# Altium PCB LimeSDR_1v2.PcbDoc (part 5 of 9)
Units mm, origin at the board's own origin, x right, y up, seen from the top; angles counter-clockwise.
Board outline 100 x 60 mm, 12 copper layers (Top, L2, L3, L4, L5, L6, L7, L8, L9, L10, L11, Bottom), stack 1.58 mm thick; 795 components, 584 nets, 3859 pads, 2074 vias.
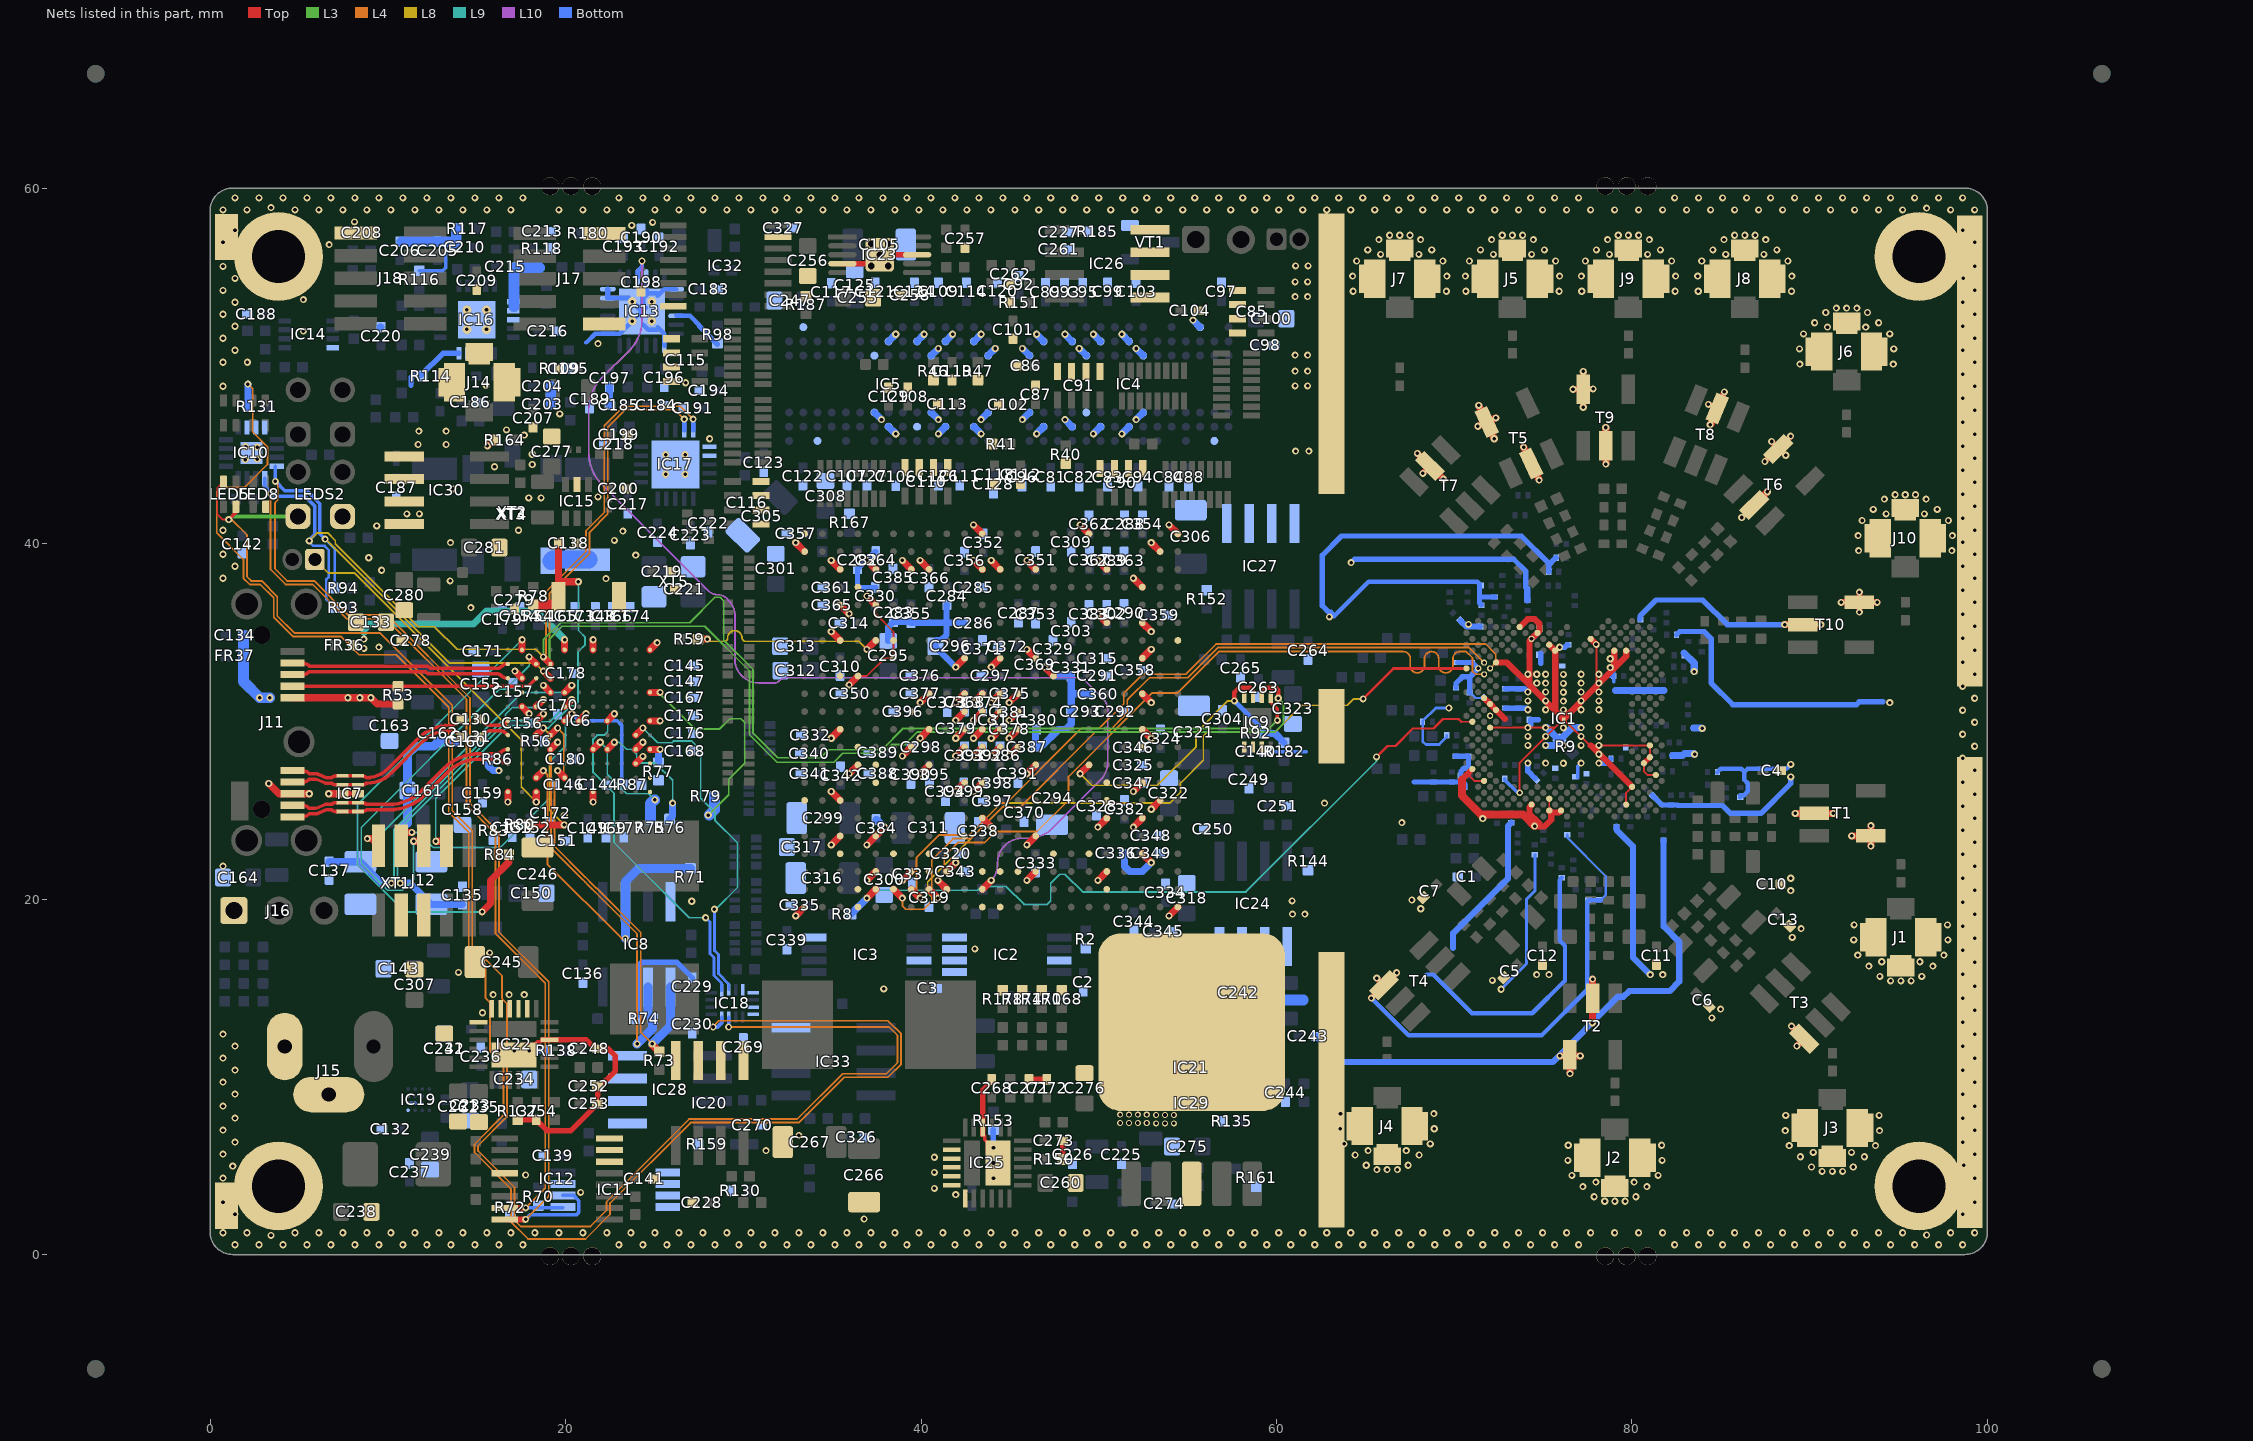
[diagram p15: the nets of this part, all layers, seen from the top]

## Via types
v1: diameter 0.4, hole 0.2, Top to Bottom, tented both sides, 1226 vias
v2: diameter 0.4, hole 0.2, Top to Bottom, tented top, 420 vias
v3: diameter 0.4, hole 0.2, Top to Bottom, 281 vias
v4: diameter 0.35, hole 0.2, Top to Bottom, tented top, 86 vias
v5: diameter 0.35, hole 0.2, Top to Bottom, tented both sides, 41 vias
v6: diameter 0.5, hole 0.2, Top to Bottom, tented both sides, 20 vias

## Nets (pads, with @x,y where several pads share a name; then routed paths per layer and width w, separated by ;. In a path a pad name is that pad's centre, name@x,y a point inside that pad or via, vN(x,y) a via of type N, cw(c..) or ccw(c..) an arc to the next point about the centre after c; other vN are vias at no path point) (continued)
FX3_FSLC2: IC6.E6 R87.2 | length 7
  Top w0.4: IC6.E6@19.95,30.025 v2(20.35,30.425)
  Bottom w0.2: v2(20.35,30.425) 20.75,30.025 22.916,30.025 23.15,29.791 23.15,26.525 R87.2@23.25,26.425
FX3_GND: C134.2 FR37.1 IC7.3 IC7.8 NT1.1 | length 5.6
  Top w0.4: v1(6.675,25.925) IC7.3@7.787,25.925
  Bottom w0.6: C134.2@1.875,34.85 FR37.1@1.875,33.675 1.875,32.237 v1(2.787,31.325) v1(3.362,31.325)
FX3_I2C_SCL: IC6.D9 IC9.2 IC10.12 IC11.6 IC12.8 IC17.4 R72.1 R94.2 | length 156.3
  Top w0.25: IC9.2@59.175,31.35 59.175,31.725 59.338,31.888 59.962,31.888 60.1,31.75 v1(60.1,31.3)
  Top w0.35: IC12.8@16.7,1.975 v1(17.75,1.975)
  Top w0.4: v2(18.75,32.825) IC6.D9@19.15,32.425
  L3 w0.1: v2(18.75,32.825) 19.1,33.175 19.1,34.65 19.8,35.35 27.83,35.35 30.35,32.83 30.35,29.247 31.897,27.7 35.1,27.7 35.6,28.2 37.888,28.2 38.388,28.7 39.095,28.7 39.795,29.4 59.9,29.4 60.4,29.9 60.4,31 v1(60.1,31.3)
  L4 w0.1: v1(3.675,43.5) 3.8,43.375 3.8,42.45 3.65,42.3 3.65,38.579 4.329,37.9 5.85,37.9 7.775,35.975 9.964,35.975 14.625,31.314 14.625,25.384 16.25,23.759 16.25,18.149 19.05,15.349 19.05,3.275 v1(17.75,1.975) ; v2(18.75,32.825) 19.1,33.175 19.1,37.211 21.35,39.461 21.35,40.642 22.375,41.667 22.375,46.545 23.355,47.525 26.15,47.525 v1(26.675,47)
  L8 w0.1: v1(6.475,40.25) 6.6,40.125 6.628,40.125 13.478,33.275 18.3,33.275 v2(18.75,32.825)
  Bottom w0.14: v1(6.475,40.25) 7,39.725 R94.2@7,37.5
  Bottom w0.2: IC10.12@3.675,44.35 v1(3.675,43.5) 4.2,42.975 4.8,42.975 5.447,42.975 6.175,42.247 6.175,40.55 v1(6.475,40.25) ; R72.1@16.9,2.125 17.05,1.975 v1(17.75,1.975) 18.025,2.25 20.633,2.25 20.75,2.367 20.75,3.034 20.459,3.325 IC11.6@19.85,3.325
  Bottom w0.25: IC17.4@26.675,46.375 v1(26.675,47)
FX3_I2C_SDA: IC6.D10 IC9.1 IC10.13 IC11.5 IC12.7 IC17.5 R70.1 R93.2 | length 153.5
  Top w0.2: IC9.1@59.675,31.35 59.675,31.083 60.05,30.708 v1(60.05,30.05)
  Top w0.35: IC12.7@16.7,2.625 v1(17.75,2.625)
  Top w0.4: v2(18.75,33.625) IC6.D10@19.15,33.225
  L3 w0.1: v2(18.75,33.625) 18.75,34.583 19.717,35.55 26.98,35.55 28.405,36.975 28.695,36.975 28.9,36.77 28.9,34.563 30.55,32.913 30.55,29.33 31.93,27.95 34.355,27.95 34.805,28.4 37.805,28.4 39.005,29.6 59.6,29.6 v1(60.05,30.05)
  L4 w0.1: v1(3.4,42.825) 3.4,38.546 4.246,37.7 5.767,37.7 7.692,35.775 9.881,35.775 14.425,31.231 14.425,25.301 16.05,23.676 16.05,18.066 18.85,15.266 18.85,3.725 v1(17.75,2.625) ; v2(18.75,33.625) 18.9,33.775 18.9,37.294 21.15,39.544 21.15,40.725 22.175,41.75 22.175,46.628 23.272,47.725 26.45,47.725 v1(27.175,47)
  L8 w0.1: v1(5.575,40.15) 6.025,40.6 6.62,40.6 7.045,40.175 7.045,39.991 11.711,35.325 12.62,35.325 13.895,34.05 18.325,34.05 v2(18.75,33.625)
  Bottom w0.14: v1@5.525,40.15 5.805,39.87 6.44,39.87 6.675,39.635 6.675,38.115 6.53,37.97 6.53,36.87 R93.2@7,36.4
  Bottom w0.2: IC10.13@3.075,43.675 3.075,43.225 3.625,42.675 5.323,42.675 5.875,42.123 5.875,40.5 v1@5.525,40.15 ; v1(17.75,2.625) IC11.5@19.85,2.625
  Bottom w0.25: IC17.5@27.175,46.375 v1(27.175,47)
FX3_INT: IC6.L8 R79.2 | length 13.8
  Top w0.4: IC6.L8@24.75,31.625 v2(25.316,31.625)
  L3 w0.1: v2(25.316,31.625) 25.316,31.519 27.26,29.575 28.675,29.575 29.25,30.15 29.87,30.15 30.075,29.945 30.075,27.63 29.175,26.73 29.175,25.875 v1(28.025,24.725)
  Bottom w0.6: v1@28.075,24.725 28.375,25.025 R79.2@28.375,25.775
FX3_JTAG_TCK: IC6.F6 J12.4 | length 16
  Top w0.4: J12.4@11.025,23.75 v1(11.35,23.75) ; IC6.F6@20.75,30.025 v2(21.15,30.425)
  L9 w0.1: v1(11.35,23.75) 11.7,23.75 12.475,22.975 12.48,22.975 12.555,22.9 16.325,22.9 19.15,25.725 19.15,27.775 20,28.625 20,29.77 20.205,29.975 20.7,29.975 v2(21.15,30.425)
FX3_JTAG_TDI: IC6.E7 J12.8 | length 13.6
  Top w0.4: v1(12.7,23.25) 13.05,23.25 J12.8@13.3,23 ; IC6.E7@19.95,30.825 v2(20.35,31.225)
  L9 w0.1: v1(12.7,23.25) 12.7,25.675 16.795,29.77 18.4,29.77 18.605,29.975 19.1,29.975 v2(20.35,31.225)
FX3_JTAG_TDO: IC6.C10 J12.6 | length 22.9
  Top w0.4: v1(11.45,23.25) 11.775,23.25 J12.6@12.025,23 ; v2(17.95,33.625) IC6.C10@18.35,33.225
  L9 w0.1: v1(11.45,23.25) 11.45,21.125 10.825,20.5 10,20.5 8.5,22 8.5,24.025 16.3,31.825 16.65,31.825 17.95,33.125 v2(17.95,33.625)
FX3_JTAG_TMS: IC6.E8 J12.2 | length 16.4
  Top w0.4: v1(8.85,23.4) 9.075,23.4 J12.2@9.475,23 ; IC6.E8@19.95,31.625 v2(20.35,32.025)
  L9 w0.1: v1(8.85,23.4) 9.347,23.4 17.572,31.625 19.95,31.625 v2(20.35,32.025)
FX3_JTAG_TRST: IC6.B11 R84.1 | length 29
  Top w0.4: v1(15.3,19.275) 15.775,19.75 15.775,21.05 16.8,22.075 R84.1@16.8,22.5 ; IC6.B11@17.55,34.025 v2(17.55,34.591)
  L9 w0.1: v1(15.3,19.275) 10.942,19.275 8.3,21.917 8.3,25.341 v2(17.55,34.591)
FX3_LED_G: IC18.12 R131.1 | length 102.6
  L4 w0.1: v1(2.125,48.975) 2.4,48.7 2.4,46.276 3.225,45.451 3.225,44.45 1.925,43.15 0.63,43.15 0.375,42.895 0.375,40.605 1.875,39.105 1.875,38.049 2.224,37.7 2.817,37.7 3.575,36.942 3.575,35.852 4.652,34.775 7.35,34.775 8.375,33.75 10.475,33.75 13.425,30.8 13.425,24.887 14.55,23.762 14.55,17.267 15.5,16.317 15.5,14.425 15.75,14.175 15.75,11.409 16.5,10.659 16.5,7.828 14.875,6.203 14.875,5.747 16.925,3.697 16.925,1.842 17.892,0.875 21.12,0.875 22.5,2.255 22.5,2.892 27.033,7.425 33.124,7.425 35.674,9.975 38.141,9.975 38.875,10.709 38.875,12.411 38.136,13.15 28.625,13.15 v1@28.275,12.8
  Bottom w0.2: v1@28.275,12.8 28.55,12.8 28.775,13.025 IC18.12@28.775,13.35
  Bottom w0.4: R131.1@2.125,47.7 v1(2.125,48.975)
  other v1: 28.3,12.8
FX3_LED_G_LS: IC6.H6 IC18.1 | length 20.4
  Top w0.4: IC6.H6@22.35,30.025 v2(22.75,30.425)
  L9 w0.1: v2(22.75,30.425) 22.375,30.05 22.375,29.425 22.175,29.225 21.775,29.225 21.55,29 21.55,27.125 22.725,25.95 22.725,23.175 26.95,18.95 v1(27.875,18.95)
  Bottom w0.15: v1(27.875,18.95) 28.125,18.7 28.125,16.928 28.35,16.703 28.35,15.7 28.775,15.275 IC18.1@28.775,14.85
FX3_LED_R: IC18.11 LED5.2 LED5.3 LEDS2.K1 | length 96.6
  Top w0.1: LED5.2@0.75,43.475 0.4,43.125 0.4,41.65 0.7,41.35 v1(1.05,41.35)
  Top w0.15: LEDS2.K1@4.475,42 LEDS2.K1@4.95,41.525
  Top w0.2: v1(1.05,41.35) 1.45,41.75 LED5.3@1.45,42.075
  L3 w0.2: v1(1.05,41.35) 1.225,41.525 LEDS2.K1@4.95,41.525
  L4 w0.1: v1(1.05,41.35) 1.22,41.35 2.075,40.495 2.075,38.132 2.307,37.9 2.9,37.9 3.782,37.018 3.782,35.927 4.734,34.975 9.55,34.975 13.625,30.9 13.625,24.97 14.75,23.845 14.75,17.35 16.425,15.675 16.425,14.4 16.7,14.125 16.7,7.745 15.075,6.12 15.075,5.83 17.125,3.78 17.125,1.925 17.475,1.575 21.395,1.575 22.3,2.48 22.3,2.975 26.95,7.625 33.041,7.625 35.591,10.175 38.058,10.175 38.675,10.792 38.675,12.328 38.203,12.8 v1(29.175,12.8)
  Bottom w0.2: v1(29.175,12.8) IC18.11@29.175,13.35
FX3_LED_R_LS: IC6.K5 IC18.2 | length 19.7
  Top w0.4: IC6.K5@23.95,29.225 v2(24.35,29.625)
  L9 w0.1: v2(24.35,29.625) 25.175,28.8 25.992,28.8 26.092,28.9 27.083,28.9 27.6,28.383 27.6,25.682 28.4,24.882 28.4,24.445 29.675,23.17 29.675,20.65 28.45,19.425 v1(28.375,19.425)
  Bottom w0.15: v1(28.375,19.425) 28.375,17.1 28.6,16.875 28.6,15.804 29.175,15.229 IC18.2@29.175,14.9
FX3_OTG_ID: IC6.C9 J11.4 R53.2 | length 14.3
  Top w0.2: J11.4@4.212,31.975 17.9,31.975 IC6.C9@18.35,32.425
FX3_PCLK: IC31.T18 R59.1 | length 11.1
  Top w0.4: R59.1@27.45,34.625 v1(27.975,34.625) ; v2(36.95,34.05) IC31.T18@37.45,34.55
  L8 w0.1: v1(27.975,34.625) 28.1,34.5 28.725,34.5 28.925,34.5 ccw(c28.925,34.7) 29.125,34.7 cw(c29.525,34.7) 29.525,35.1 cw(c29.525,34.7) 29.925,34.7 ccw(c30.125,34.7) 30.125,34.5 30.725,34.5 30.9,34.5 36.5,34.5 v2(36.95,34.05)
FX3_PMODE0: IC6.G4 R75.2 | length 7
  Top w0.4: IC6.G4@21.55,28.425 v2(21.95,28.825)
  L9 w0.1: v2(21.95,28.825) 22.35,28.425 22.35,27.025 23.45,25.925 24.675,25.925 v1(25.025,25.575)
  Bottom w0.6: R75.2@24.775,24.5 24.775,25.375 24.975,25.575 v1(25.025,25.575)
FX3_PMODE1: IC6.H4 R76.2 | length 7.1
  Top w0.4: IC6.H4@22.35,28.425 v2(22.75,28.825)
  L9 w0.1: v2(22.75,28.825) 23.025,28.825 23.425,28.425 23.725,28.425 24,28.15 24,27.88 24.23,27.65 25.05,27.65 26.025,26.675 v2(26.025,25.4)
  Bottom w0.4: R76.2@25.85,24.5 26.025,24.675 v2(26.025,25.4)
FX3_PMODE2: IC6.L4 R77.2 | length 1.4
  Top w0.4: IC6.L4@24.75,28.425 v2(25.316,28.425)
  Bottom w0.4: R77.2@25.225,27.675 25.225,28.334 v2(25.316,28.425)
FX3_RST: C138.1 IC6.C5 R78.1 R80.2 SW1.2 | length 23.4
  Top w0.4: R80.2@17.925,24.175 v1(19.925,24.175) ; IC6.C5@18.35,29.225 v2(18.75,29.625) ; SW1.2@19.6,36.975 SW1.2@19.6,37.675 ; C138.1@19.675,40.05 19.6,39.975 SW1.2@19.6,37.675 ; v1(20.725,37.85) 19.775,37.85 SW1.2@19.6,37.675
  Top w0.6: R78.1@18.175,36.55 19.175,36.55
  L8 w0.1: v2(18.75,29.625) 19.1,29.275 19.1,25 v1(19.925,24.175)
  L9 w0.1: v2(18.75,29.625) 19.033,29.625 20.283,30.875 20.495,30.875 20.7,31.08 20.7,33.9 21.1,34.3 21.1,34.736 20.725,35.111 v1(20.725,37.85)
FX3_SPI_FLASH_SS: IC6.C1 J13.1 | length 20.2
  Top w0.4: v2(18.35,25.459) IC6.C1@18.35,26.025
  L8 w0.1: J13.1@5.9,39.1 6.662,38.338 8.132,38.338 17.5,28.97 17.5,26.309 v2(18.35,25.459)
FX3_SPI_MISO: IC6.C2 IC8.2 R71.1 | length 19.2
  Top w0.4: IC6.C2@18.35,26.825 v2(18.75,27.225)
  L4 w0.1: v2(18.75,27.225) 18.975,27 18.975,21.963 23.153,17.785 v1(23.365,17.785)
  Bottom w0.5: v1(23.365,17.785) IC8.2@23.365,19.85 23.365,20.965 24.125,21.725 R71.1@27.025,21.725
FX3_SPI_MOSI: IC6.D5 IC8.5 R73.1 | length 25.2
  Top w0.4: IC6.D5@19.15,29.225 v2(19.55,29.625) ; v1(24.874,11.851) 24.874,11.801 R73.1@25.275,11.4
  L4 w0.1: v2(19.55,29.625) 19.9,29.275 19.9,27.08 19.375,26.555 19.375,22.967 20.992,21.35 ; 20.992,21.35 21.3,21.042 21.367,20.975 21.675,20.667 21.717,20.625 ; 21.717,20.625 24.225,18.117 24.225,12.5 v1(24.874,11.851)
  Bottom w0.5: v1(24.874,11.851) 25.905,12.881 IC8.5@25.905,15.05
FX3_SPI_SCLK: IC6.D4 IC8.6 R74.2 | length 23.4
  Top w0.4: IC6.D4@19.15,28.425 v2(19.55,28.825)
  L4 w0.1: v2(19.55,28.825) 19.175,28.45 19.175,22.884 20.909,21.15 21.1,20.96 21.284,20.775 ; 21.285,20.775 21.475,20.585 ; 21.475,20.584 21.634,20.425 24.025,18.035 v1(24.025,11.85)
  Bottom w0.5: v1(24.025,11.85) 24.9,12.725 R74.2@24.9,13.275 24.635,13.54 IC8.6@24.635,15.05
FX3_USB_D_N: IC6.A10 J11.2 | length 12.3
  Top w0.2: J11.2@4.637,33.275 5.165,33.275 cw(c5.165,32.678) 5.587,33.1 12.169,33.1 cw(c12.169,32.844) 12.35,33.025 ccw(c12.471,33.146) 12.471,32.975 16.146,32.975 ccw(c16.146,33.285) 16.366,33.066 cw(c16.75,32.682) IC6.A10@16.75,33.225
FX3_USB_D_P: IC6.A9 J11.3 | length 12.3
  Top w0.2: J11.3@4.637,32.625 5.165,32.625 ccw(c5.165,33.222) 5.587,32.8 12.021,32.8 cw(c12.021,32.571) 12.183,32.733 ccw(c12.323,32.873) 12.323,32.675 16.146,32.675 cw(c16.146,32.365) 16.366,32.584 ccw(c16.75,32.968) IC6.A9@16.75,32.425
FX3_USB_SSRX_N: IC6.A4 IC7.4 IC7.7 J11.9 | length 13.3
  Top w0.2: J11.9@4.637,25.275 5.165,25.275 cw(c5.165,24.678) 5.587,25.1 5.95,25.1 6.475,25.325 6.837,25.325 cw(c7.079,25.084) 7.079,25.425 IC7.4@7.45,25.425 IC7.7@8.324,25.425 8.545,25.425 cw(c8.545,25.084) 8.786,25.325 10.073,25.325 ccw(c10.073,27.865) 11.869,26.069 13.143,27.343 cw(c15.151,25.335) 15.151,28.175 16.146,28.175 ccw(c16.146,28.485) 16.366,28.266 cw(c16.75,27.882) IC6.A4@16.75,28.425
FX3_USB_SSRX_P: IC6.A3 IC7.5 IC7.6 J11.10 | length 13.3
  Top w0.2: J11.10@4.637,24.625 5.165,24.625 ccw(c5.165,25.222) 5.587,24.8 6.012,24.8 6.537,25.025 6.837,25.025 ccw(c7.079,25.266) 7.079,24.925 IC7.6@8.324,24.925 8.545,24.925 ccw(c8.545,25.266) 8.786,25.025 10.073,25.025 ccw(c10.073,27.865) 12.081,25.857 13.355,27.131 cw(c15.151,25.335) 15.151,27.875 16.146,27.875 cw(c16.146,27.565) 16.366,27.784 ccw(c16.75,28.168) IC6.A3@16.75,27.625
FX3_USB_SSTX_IC_N: C130.2 IC6.A6 | length 1.8
  Top w0.2: C130.2@15.175,30.125 C130.2@15.331,29.969 ; C130.2@15.331,29.969 ccw(c15.8,30.439) 15.8,29.775 16.288,29.775 ccw(c16.288,30.287) 16.65,29.925 IC6.A6@16.75,30.025
FX3_USB_SSTX_IC_P: C131.1 IC6.A5 | length 1.8
  Top w0.2: C131.1@15.175,29.125 15.331,29.281 cw(c15.8,28.811) 15.8,29.475 16.288,29.475 cw(c16.288,28.963) 16.65,29.325 IC6.A5@16.75,29.225
FX3_USB_SSTX_N: C130.1 IC7.1 IC7.10 J11.6 | length 10.8
  Top w0.2: J11.6@4.637,27.225 5.165,27.225 cw(c5.165,26.628) 5.587,27.05 6.012,27.05 6.537,26.825 6.837,26.825 cw(c7.079,26.584) 7.079,26.925 IC7.1@7.45,26.925 IC7.10@8.324,26.925 8.545,26.925 cw(c8.545,26.584) 8.786,26.825 ccw(c8.786,28.549) 10.006,27.33 11.729,29.053 cw(c13.471,27.311) 13.471,29.775 ccw(c13.471,30.629) 14.075,30.025 C130.1@14.175,30.125
FX3_USB_SSTX_P: C131.2 IC7.2 IC7.9 J11.7 | length 10.8
  Top w0.2: J11.7@4.637,26.575 5.165,26.575 ccw(c5.165,27.172) 5.587,26.75 5.95,26.75 6.475,26.525 6.837,26.525 ccw(c7.079,26.766) 7.079,26.425 IC7.2@7.45,26.425 IC7.9@8.324,26.425 8.545,26.425 ccw(c8.545,26.766) 8.786,26.525 8.849,26.525 ccw(c8.849,28.398) 10.174,27.074 11.941,28.841 cw(c13.471,27.311) 13.471,29.475 cw(c13.471,28.621) 14.075,29.225 C131.2@14.175,29.125
FX3_VBUS: C133.2 FR36.2 IC6.E11 | length 13.1
  Top w0.4: IC6.E11@19.95,34.025 v2(19.95,34.591)
  L9 w0.4: 8.669,34.987 8.669,35.169 8.975,35.475 14.825,35.475 15.55,36.2 18.341,36.2 v2(19.95,34.591)
  other v1: 8.65,34.1 8.65,34.625
FX3_XTAL_N: C137.2 IC6.C7 XT1.3 | length 19.2
  Top w0.4: IC6.C7@18.35,30.825 v2(18.75,31.225)
  L9 w0.1: v1(10.2,20.9) 10.35,21.05 10.35,23.926 16.615,30.191 16.615,30.385 17.005,30.775 18.3,30.775 v2(18.75,31.225)
  Bottom w0.4: C137.2@6.7,22.1 XT1.3@8.45,22.1 9.65,20.9 v1(10.2,20.9)
FX3_XTAL_P: C135.2 IC6.C6 XT1.1 | length 18.5
  Top w0.4: IC6.C6@18.35,30.025 v2(18.75,30.425)
  L9 w0.1: v1(10.7,20.9) 10.55,21.05 10.55,23.844 16.756,30.05 18.375,30.05 v2(18.75,30.425)
  Bottom w0.4: v1(10.7,20.9) 11.25,20.9 XT1.1@12.45,19.7 C135.2@14.2,19.7
GND: C1.2 C2.1 C3.1 C4.1 C5.1 C6.1 C7.1 C10.1 C11.1 C12.1 C13.1 C22.2 C23.2 C24.2 C25.2 C26.2 C27.2 C28.2 C29.2 C30.2 C31.2 C32.2 C33.2 C34.2 C35.2 C36.2 C37.2 C38.2 C39.2 C40.2 C41.2 C42.2 C43.2 C44.2 C45.2 C46.2 C47.2 C48.2 C49.2 C50.2 C51.2 C52.2 C53.2 C54.2 C55.2 C56.2 C57.2 C58.1 C59.2 C60.2 C61.2 C62.2 C63.2 C64.2 C65.2 C66.2 C67.2 C68.2 C69.2 C70.2 C71.2 C72.2 C73.2 C74.2 C75.2 C76.2 C77.2 C78.2 C79.2 C80.2 C81.2 C82.2 C83.2 C84.2 C85.5 C85.6 C85.7 C85.8 C86.2 C87.2 C88.2 C89.2 C90.5 C90.6 C90.7 C90.8 C91.5 C91.6 C91.7 C91.8 C92.2 C93.2 C94.2 C95.2 C96.2 C97.2 C98.2 C99.2 C100.1 C101.1 C102.1 C103.2 C104.2 C105.1 C106.2 C107.2 C108.2 C109.2 C110.5 C110.6 C110.7 C110.8 C111.2 C112.2 C113.2 C114.2 C115.5 C115.6 C115.7 C115.8 C116.5 C116.6 C116.7 C116.8 C117.2 C118.2 C119.2 C120.2 C121.2 C122.2 C123.2 C124.2 C125.1 C126.1 C127.1 C128.2 C129.2 C132.2 C133.1 C135.1 C136.2 C137.1 C138.2 C139.2 C140.2 C141.2 C142.2 C143.1 C144.2 C145.2 C146.1 C147.1 C148.2 C149.1 C150.1 C151.2 C152.1 C153.2 C154.1 C155.1 C156.1 C157.2 C158.1 C159.2 C160.2 C161.1 C162.2 C163.1 C164.1 C165.2 C166.2 C167.2 C168.2 C169.2 C170.2 C171.2 C172.2 C173.1 C174.1 C175.1 C176.1 C177.1 C178.1 C179.1 C180.1 C183.1 C184.1 C185.1 C186.1 C187.1 C188.1 C189.1 C190.1 C191.1 C192.1 C193.1 C194.1 C195.1 C196.1 C197.1 C198.1 C199.1 C200.2 C203.1 C204.1 C205.2 C206.2 C207.2 C208.2 C209.1 C210.2 C213.1 C215.1 C216.2 C217.2 C218.2 C219.1 C220.1 C221.1 C222.2 C223.2 C224.2 C225.1 C226.2 C227.1 C228.1 C229.1 C230.1 C231.1 C232.1 C233.1 C234.1 C235.1 C236.2 C237.2 C238.1 C239.1 C241.1 C242.1 C243.1 C244.1 C245.1 C246.1 C247.1 C248.2 C249.1 C250.1 C251.1 C252.2 C253.2 C254.2 C255.1 C256.1 C257.1 C258.2 C260.1 C261.1 C262.1 C263.1 C264.1 C265.1 C266.1 C267.1 C268.2 C269.1 C270.1 C271.2 C272.2 C273.2 C274.1 C275.1 C276.1 C277.1 C278.1 C279.1 C280.1 C281.1 C282.2 C283.2 C284.2 C285.2 C286.2 C287.2 C288.2 C289.2 C290.2 C291.2 C292.2 C293.2 C294.1 C295.1 C296.1 C297.2 C298.2 C299.1 C300.1 C301.1 C302.2 C303.2 C304.2 C305.1 C306.1 C307.1 C308.1 C309.1 C310.2 C311.1 C312.1 C313.1 C314.1 C315.2 C316.1 C317.1 C318.1 C319.1 C320.2 C321.1 C322.1 C323.1 C324.1 C325.2 C326.2 C327.2 C328.2 C329.2 C330.2 C331.2 C332.2 C333.2 C334.2 C335.2 C336.2 C337.2 C338.2 C339.2 C340.2 C341.2 C342.2 C343.2 C344.2 C345.2 C346.2 C347.2 C348.2 C349.2 C350.2 C351.2 C352.2 C353.2 C354.2 C355.2 C356.2 C357.2 C358.2 C359.2 C360.2 C361.2 C362.2 C363.2 C364.2 C365.2 C366.2 C367.2 C368.2 C369.2 C370.2 C371.2 C372.2 C373.2 C374.2 C375.2 C376.2 C377.2 C378.2 C379.2 C380.2 C381.2 C382.2 C383.2 C384.2 C385.2 C386.2 C387.2 C388.2 C389.2 C390.2 C391.2 C392.2 C393.2 C394.2 C395.2 C396.2 C397.2 C398.2 C399.2 IC1.AA31 IC1.AF32 IC1.AG29 IC1.AJ7 IC1.AJ9 IC1.AJ19 IC1.AK12 IC1.AK20 IC1.AL13 IC1.AL23 IC1.AM22 IC1.AN25 IC1.B18 IC1.B20 IC1.C7 IC1.C23 IC1.D20 IC1.E25 IC1.F6 IC1.G31 IC1.GND IC1.H2 IC1.J33 IC1.K4 IC1.L3 IC1.N3 IC1.T30 IC1.V30 IC1.W29 IC1.Y30 IC2.1 IC2.2 IC2.3 IC2.4 IC2.7 IC3.4 IC3.7 IC4.A3 IC4.A7 IC4.B2 IC4.B8 IC4.D2 IC4.D8 IC4.E3 IC4.E7 IC4.F2 IC4.F8 IC4.H2 IC4.H8 IC4.J3 IC4.J7 IC4.N1 IC4.P9 IC5.A3 IC5.A7 IC5.B2 IC5.B8 IC5.D2 IC5.D8 IC5.E3 IC5.E7 IC5.F2 IC5.F8 IC5.H2 IC5.H8 IC5.J3 IC5.J7 IC5.N1 IC5.P9 IC6.A1 IC6.A8 IC6.B7 IC6.B8 IC6.B9 IC6.D8 IC6.E2 IC6.G1 IC6.G11 IC6.K3 IC6.K4 IC6.L1 IC6.L2 IC6.L3 IC6.L6 IC6.L11 IC8.4 IC9.4 IC9.5 IC9.6 IC9.7 IC10.6 IC10.7 IC10.8 IC10.17 IC11.1 IC11.2 IC11.3 IC11.4 IC11.7 IC12.4 IC12.14 IC12.15 IC12.16 IC13.1 IC13.7 IC13.11 IC13.12 IC13.16 IC13.19 IC13.22 IC13.25 IC14.4 IC15.5 IC16.1 IC16.2 IC16.3 IC16.9 IC16.10 IC16.21 IC17.6 IC17.7 IC17.21 IC18.4 IC18.5 IC18.7 IC18.8 IC19.C2 IC19.D1 IC19.D2 IC19.D3 IC20.5 IC20.6 IC20.7 IC20.8 IC21.5 IC21.6 IC21.7 IC21.8 IC22.4 IC22.8 IC22.9 IC22.10 IC22.11 IC22.12 IC22.13 IC22.25 IC23.4 IC23.8 IC23.11 IC24.5 IC24.6 IC24.7 IC24.8 IC25.4 IC25.8 IC25.9 IC25.10 IC25.11 IC25.12 IC25.13 IC25.25 IC26.5 IC26.6 IC26.7 IC26.8 IC27.5 IC27.6 IC27.7 IC27.8 IC28.5 IC28.6 IC28.7 IC28.8 IC29.3 IC30.5 IC30.6 IC30.7 IC30.8 IC31.A1 IC31.A11 IC31.A12 IC31.A19 IC31.A22 IC31.AA2 IC31.AA22 IC31.AB1 IC31.AB6 IC31.AB12 IC31.AB22 IC31.B5 IC31.B19 IC31.C5 IC31.C9 IC31.C10 IC31.C11 IC31.C12 IC31.C14 IC31.C15 IC31.C16 IC31.C18 IC31.D3 IC31.D6 IC31.D8 IC31.D15 IC31.D17 IC31.D20 IC31.E9 IC31.E13 IC31.E18 IC31.E20 IC31.F3 IC31.F5 IC31.F12 IC31.G2 IC31.G5 IC31.G20 IC31.G22 IC31.H3 IC31.H5 IC31.H12 IC31.H13 IC31.H18 IC31.J9 IC31.J15 IC31.J18 IC31.J19 IC31.K3 IC31.K10 IC31.K11 IC31.K12 IC31.K13 IC31.K16 IC31.K19 IC31.L3 IC31.L10 IC31.L11 IC31.L12 IC31.L13 IC31.L15 IC31.L20 IC31.M10 IC31.M11 IC31.M12 IC31.M13 IC31.M16 IC31.N3 IC31.N10 IC31.N11 IC31.N12 IC31.N13 IC31.N15 IC31.P8 IC31.P19 IC31.P20 IC31.R3 IC31.R9 IC31.R11 IC31.R13 IC31.R17 IC31.T1 IC31.T17 IC31.T20 IC31.U3 IC31.U5 IC31.V18 IC31.V20 IC31.W3 IC31.W19 IC31.Y5 IC31.Y9 IC31.Y11 IC31.Y12 IC31.Y15 IC31.Y16 IC31.Y18 IC31.Y20 IC32.8 IC32.15 IC33.4 J1.2 J2.2 J3.2 J4.2 J5.2 J6.2 J7.2 J8.2 J9.2 J10.2 J11.5 J11.8 J12.3 J12.5 J14.2 J15.2 J15.3 J16.1 J17.2 J17.10 J18.1 LED8.3 LEDS2.K2 MECH1.MH1 MECH2.MH1 MECH3.MH1 MECH4.MH1 NT1.2 pad.2 pad.3 pad.4 pad.5 pad.16 R2.1 R9.2 R40.1 R41.1 R46.1 R47.1 R53.1 R54.1 R56.1 R74.1 R77.1 R83.1 R86.1 R87.1 R98.1 R109.1 R114.1 R116.2 R117.2 R118.1 R130.1 R135.1 R137.2 R138.1 R144.2 R150.2 R151.1 R152.1 R153.2 R159.1 R161.2 R164.1 R167.1 R168.2 R170.2 R174.2 R178.2 R180.2 R185.2 R187.2 SW1.1 T1.2 T1.6 T2.2 T2.6 T3.3 T4.3 T5.2 T5.4 T6.2 T6.4 T7.2 T8.2 T9.2 T9.4 T10.2 T10.4 VT1.S XT1.2 XT1.4 XT2.2 XT3.2 XT4.2 XT5.2 XT5.4 | length 510.5
  Top w0.1: IC31.P19@36.45,32.55 36.95,32.55 37.95,33.55 IC31.R17@38.45,33.55 IC31.T17@38.45,34.55 38.45,35.045 37.45,36.045 IC31.V18@37.45,36.55
  Top w0.11: 70.876,27.173 70.876,26.899 71.129,26.646 IC1.G31@71.681,26.646 ; IC1.T30@72.014,29.643 75.661,29.643 ; v4(73.679,25.98) 73.679,27.661 75.154,29.136 75.661,29.643 ; IC1.B20@75.344,24.981 IC1.D20@75.344,25.647 ; 78.008,31.99 IC1.AK12@78.008,34.305 ; IC1.C7@79.673,25.314 79.673,25.98 IC1.F6@80.006,26.313 ; IC1.K4@80.672,27.645 80.672,27.179 80.874,26.976 81.335,26.976 IC1.H2@81.338,26.979 ; IC1.L3@81.002,27.978 IC1.N3@81.002,28.545 ; IC1.N3@81.005,28.644 77.675,28.644 77.63,28.644 76.146,30.128 75.661,29.643